# Altium PCB SeaBOX-PoE-HDMI-Stick.PcbDoc (part 1 of 2) (continued)
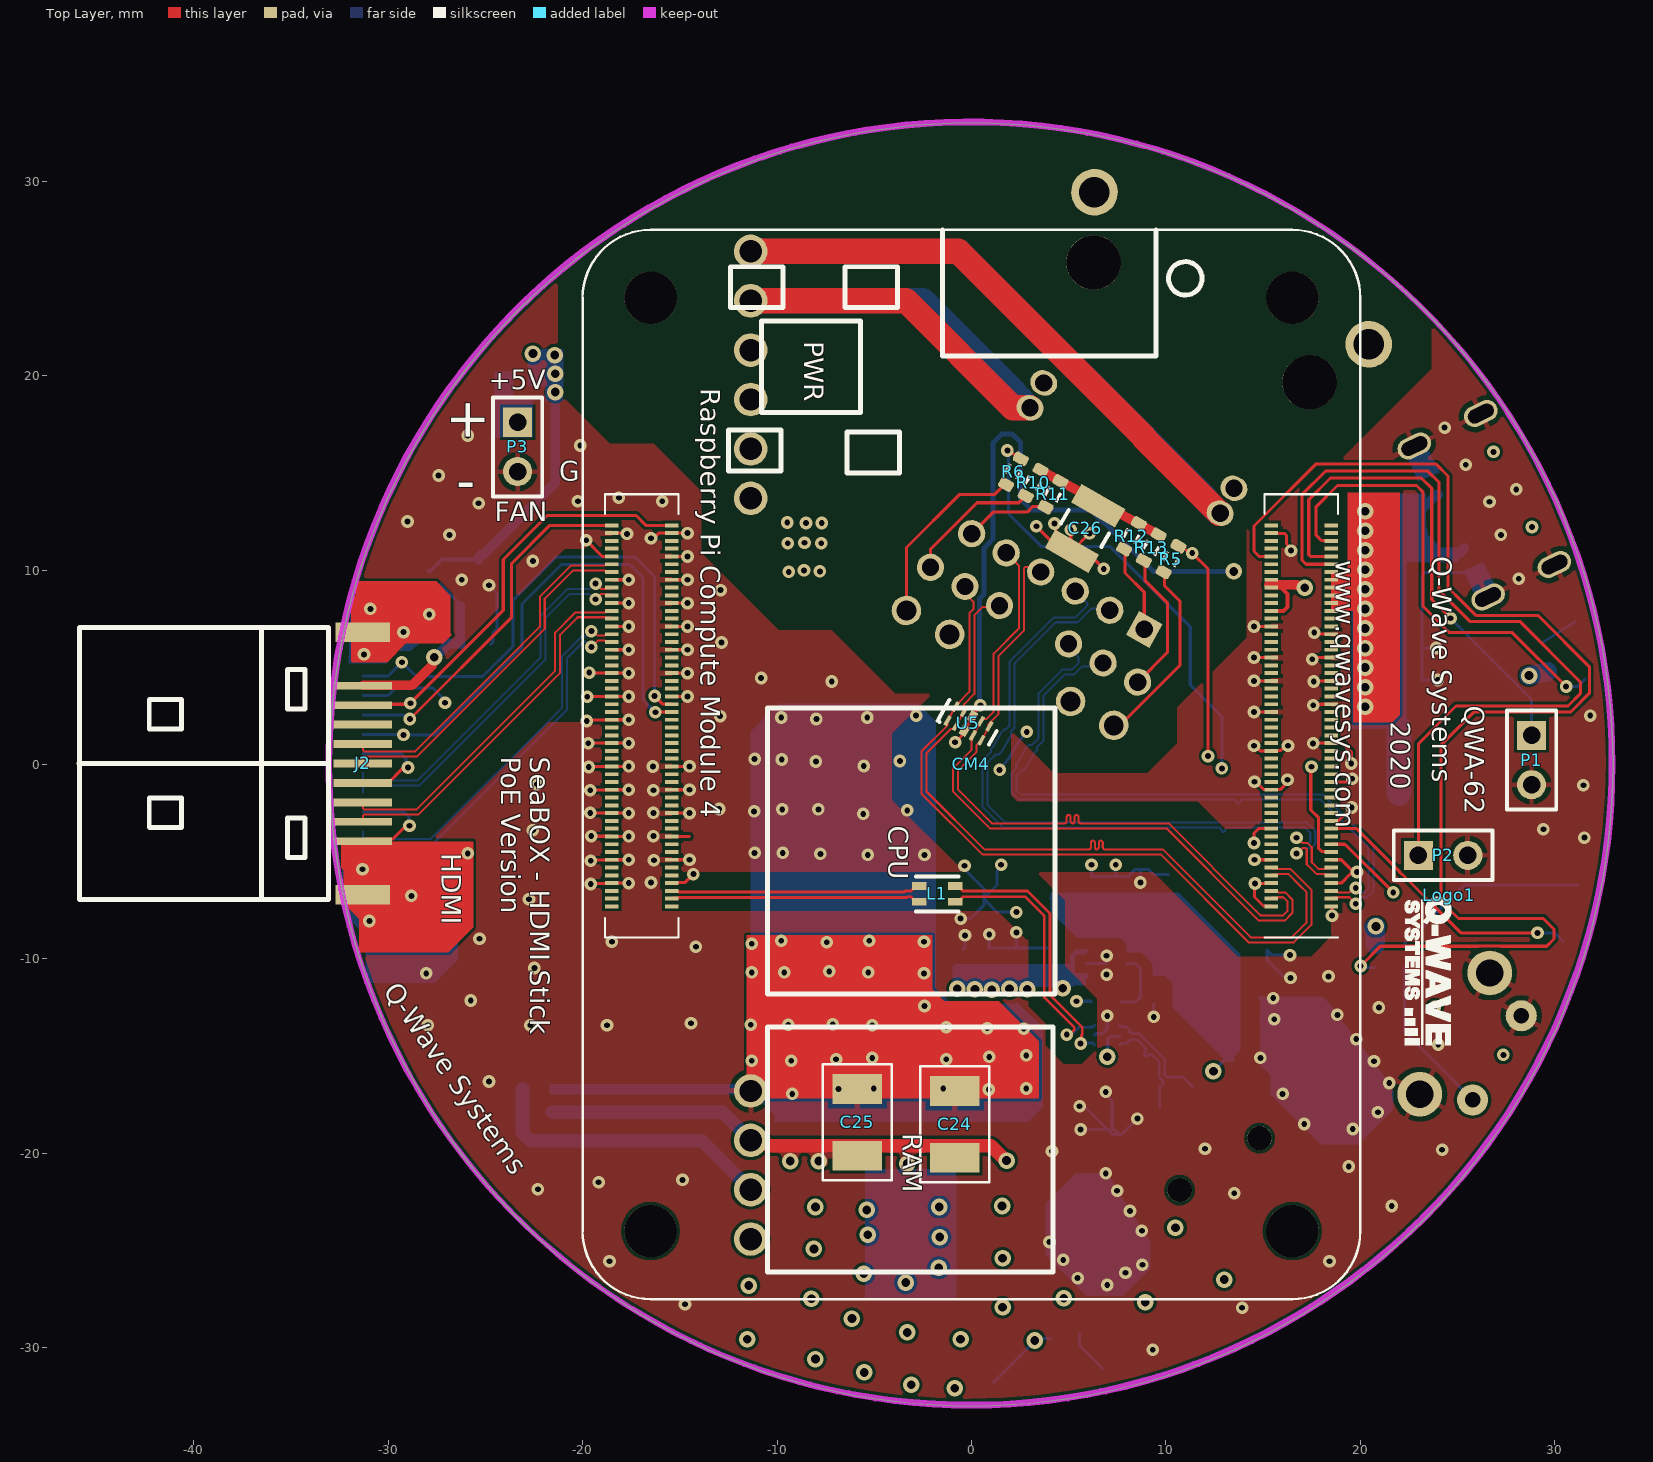
[diagram p0: Top Layer view]
## Classes and differential pairs
component class Ethernet: C26 R5 R6 R10 R11 R12 R13 T1 U4 U5
component class HDMI2.0: C11 C12 H1 J2 U1
component class "Top_Level_Block Diagram": Logo1
component class Power: C4 C5 C6 C7 C8 C9 C10 C23 C24 C25 F1 J1 P3 R3 R4 U3
component class LEDs: D3 D4 R7 R8
component class "BT WiFi Power Reset Control": P1 P2 R2 SW1
differential pair class DIFF_USB2.0: C_USB2 D USB2
differential pair class DIFF_90Ohm_USB2.0: C_USB2 D USB2
net class Power: 5V 5V_USB FAN_5V GPIO_VRef_3V3 H5V NetC26_2 NetR3_2 Shield VC1 VC2 VC3 VC4
differential pair class DIFF_PCIe: PCIE_CLK PCIE_RX PCIE_TX
differential pair class DIFF_MIPI: CAM0_C CAM0_D0 CAM0_D1 CAM1_C CAM1_D0 CAM1_D1 CAM1_D2 CAM1_D3 DSI0_C DSI0_D0 DSI0_D1 DSI1_C DSI1_D0 DSI1_D1 DSI1_D2 DSI1_D3
differential pair class DIFF_LAN_GB: TRD0 TRD1 TRD2 TRD3
differential pair class DIFF_HDMI: HDMI0_CLK HDMI0_TX0 HDMI0_TX1 HDMI0_TX2
differential pair class DIFF_100Ohm_MIPI: CAM0_C CAM0_D0 CAM0_D1 CAM1_C CAM1_D0 CAM1_D1 CAM1_D2 CAM1_D3 DSI0_C DSI0_D0 DSI0_D1 DSI1_C DSI1_D0 DSI1_D1 DSI1_D2 DSI1_D3
differential pair class DIFF_100Ohm_HDMI: HDMI0_CLK HDMI0_TX0 HDMI0_TX1 HDMI0_TX2
differential pair class DIFF_100Ohm_GBE: TRD0 TRD1 TRD2 TRD3
differential pair class DIFF_90Ohm_PCIe: PCIE_CLK PCIE_RX PCIE_TX
net class USB2.0_480Mbps: C_USB2_N C_USB2_P D_N D_P USB2_N USB2_P
net class PCIe_5Gbps: PCIE_CLK_N PCIE_CLK_P PCIE_RX_N PCIE_RX_P PCIE_TX_N PCIE_TX_P
net class MIPI_1Gbps: CAM0_C_N CAM0_C_P CAM0_D0_N CAM0_D0_P CAM0_D1_N CAM0_D1_P CAM1_C_N CAM1_C_P CAM1_D0_N CAM1_D0_P CAM1_D1_N CAM1_D1_P CAM1_D2_N CAM1_D2_P CAM1_D3_N CAM1_D3_P DSI0_C_N DSI0_C_P DSI0_D0_N DSI0_D0_P DSI0_D1_N DSI0_D1_P DSI1_C_N DSI1_C_P DSI1_D0_N DSI1_D0_P DSI1_D1_N DSI1_D1_P DSI1_D2_N DSI1_D2_P DSI1_D3_N DSI1_D3_P
net class HDMI_18Gbps: HDMI0_CLK_N HDMI0_CLK_P HDMI0_TX0_N HDMI0_TX0_P HDMI0_TX1_N HDMI0_TX1_P HDMI0_TX2_N HDMI0_TX2_P
net class GBE_1Gbps: TRD0_N TRD0_P TRD1_N TRD1_P TRD2_N TRD2_P TRD3_N TRD3_P
component class USB: 1 C1 C2 C3 C13 C14 C15 C16 C17 C18 C19 C20 C21 C22 D1 D2 L1 R1 R9 U2 USB1
component class GPIO: CM4
differential pair D: +D_P -D_N
differential pair USB2: +USB2_P -USB2_N
differential pair C_USB2: +C_USB2_P -C_USB2_N
differential pair TRD3: +TRD3_P -TRD3_N
differential pair TRD2: +TRD2_P -TRD2_N
differential pair TRD1: +TRD1_P -TRD1_N
differential pair TRD0: +TRD0_P -TRD0_N
differential pair PCIE_TX: +PCIE_TX_P -PCIE_TX_N
differential pair PCIE_RX: +PCIE_RX_P -PCIE_RX_N
differential pair PCIE_CLK: +PCIE_CLK_P -PCIE_CLK_N
differential pair HDMI0_TX2: +HDMI0_TX2_P -HDMI0_TX2_N
differential pair HDMI0_TX1: +HDMI0_TX1_P -HDMI0_TX1_N
differential pair HDMI0_TX0: +HDMI0_TX0_P -HDMI0_TX0_N
differential pair HDMI0_CLK: +HDMI0_CLK_P -HDMI0_CLK_N
differential pair DSI1_D3: +DSI1_D3_P -DSI1_D3_N
differential pair DSI1_D2: +DSI1_D2_P -DSI1_D2_N
differential pair DSI1_D1: +DSI1_D1_P -DSI1_D1_N
differential pair DSI1_D0: +DSI1_D0_P -DSI1_D0_N
differential pair DSI1_C: +DSI1_C_P -DSI1_C_N
differential pair DSI0_D1: +DSI0_D1_P -DSI0_D1_N
differential pair DSI0_D0: +DSI0_D0_P -DSI0_D0_N
differential pair DSI0_C: +DSI0_C_P -DSI0_C_N
differential pair CAM1_D3: +CAM1_D3_P -CAM1_D3_N
differential pair CAM1_D2: +CAM1_D2_P -CAM1_D2_N
differential pair CAM1_D1: +CAM1_D1_P -CAM1_D1_N
differential pair CAM1_D0: +CAM1_D0_P -CAM1_D0_N
differential pair CAM1_C: +CAM1_C_P -CAM1_C_N
differential pair CAM0_D1: +CAM0_D1_P -CAM0_D1_N
differential pair CAM0_D0: +CAM0_D0_P -CAM0_D0_N
differential pair CAM0_C: +CAM0_C_P -CAM0_C_N

## Components (designator, comment, footprint, x,y, rotation, side; value= is the part's Value field where it differs from the comment)
1 "5V_USB" TEST_POINT 1.168,-31.775 r90 bottom locked
C1 "4.7uF" CAP_0805 8.763,-6.325 r90 bottom locked
C2 "0.1µF" CAP_0603 14.046,-11.963 r0 bottom locked
C3 "0.01µF" CAP_0603 14.072,-13.106 r180 bottom locked
C4 "47uF 16V (1210)" "C 1210" 23.952,-1.473 r0 bottom locked
C5 "0.1µF" CAP_0603 22.403,8.534 r0 bottom locked
C6 "47uF 16V (1210)" "C 1210" 23.952,1.88 r0 bottom locked
C7 "4.7uF" CAP_0805 22.25,4.369 r0 bottom locked
C8 "0.1µF" CAP_0603 22.403,7.341 r0 bottom locked
C9 "4.7uF" CAP_0805 22.25,5.944 r0 bottom locked
C10 "0.1µF" CAP_0603 22.403,9.703 r0 bottom locked
C11 "0.1uF" CAP_0603 -27.915,9.195 r90 bottom locked
C12 "0.1uF" CAP_0603 -25.502,6.172 r180 bottom locked
C13 "4.7uF 16V" CAP_0805 4.089,-10.287 r90 bottom locked
C14 "4.7uF 16V" CAP_0805 2.388,-10.287 r90 bottom locked
C15 "1µF" CAP_0603 0.864,-10.236 r270 bottom locked
C16 "0.1uF" CAP_0603 -0.305,-10.236 r270 bottom locked
C17 "1µF" CAP_0603 9.398,-11.557 r90 bottom locked
C18 "1µF" CAP_0603 10.135,-6.426 r270 bottom locked
C19 "0.1µF" CAP_0603 6.189,-6.538 r270 bottom locked
C20 "0.1µF" CAP_0603 7.391,-6.528 r270 bottom locked
C21 "47uF 16V" 1210C-GENERIC 15.215,-9.55 r180 bottom locked value=47uF
C22 "47uF 16V" 1210C-GENERIC 0.635,-6.883 r0 bottom locked value=47uF
C23 "470uF, 16V" WCAP-PSHP_10x10.5mm -3.404,-19.583 r270 bottom locked
C24 "10uF 16V" 1210C-GENERIC -0.864,-16.789 r270 top locked value=47uF
C25 "10uF 16V" 1210C-GENERIC -5.867,-16.688 r270 top locked value=47uF
C26 "1nF 2KV 1210" C1210 5.842,12.141 r60 top locked
CM4 "Raspberry Pi Compute Module 4" CM4-DF40HC(3.0)-100DS-0.4v_3mm_1.5mm 0,0 r0 top locked
D1 "USBLC6-2" SOT-666 6.985,-13.919 r90 bottom locked
D2 "Red SMD LED    Used in manufacturing of most products at SparkFun   Packages: 0603 - SMD 0603 package [Product Link]  0603 SMART - SMD 0603 SMART package ( more efficient and expensive)[Product Link]   1206 - SMD1206  package [Product Link]    SparkFun Products: Pro Mini 328 -5V  RedBoard  IOIO-OTG" LED-1206-LED_AL-S1204SRC50-14M 5.258,-31.318 r190 bottom locked
D3 "Red SMD LED    Used in manufacturing of most products at SparkFun   Packages: 0603 - SMD 0603 package [Product Link]  0603 SMART - SMD 0603 SMART package ( more efficient and expensive)[Product Link]   1206 - SMD1206  package [Product Link]    SparkFun Products: Pro Mini 328 -5V  RedBoard  IOIO-OTG" LED-1206-LED_AL-S1204SRC50-14M 30.81,-7.645 r255 bottom locked
D4 "Red SMD LED    Used in manufacturing of most products at SparkFun   Packages: 0603 - SMD 0603 package [Product Link]  0603 SMART - SMD 0603 SMART package ( more efficient and expensive)[Product Link]   1206 - SMD1206  package [Product Link]    SparkFun Products: Pro Mini 328 -5V  RedBoard  IOIO-OTG" LED-1206-LED_AL-S1204SRC50-14M 31.293,5.867 r280 bottom locked
F1 "Fuse 2" 1206 -22.885,20.218 r0 bottom locked
H1 "H5V" TEST_POINT -29.489,9.246 r180 bottom locked
J1 "TYPE-C 6 Pin" TYPE-C-31-M-17 26.3,13.5 r296 bottom locked
J2 "HDMIconnector 19" HDMI-SMD_19P_C168715 -31.3,0.051 r270 top locked
L1 "ACM2012-900-2P-T002" ACM2012 -1.753,-6.655 r0 top locked
Logo1 "QWAVE Logo" Qwave_Logo1 24.562,-6.731 r270 top locked
P1 "Header 2" HDR1X2 28.804,1.499 r270 top locked
P2 "Header 2" HDR1X2 22.987,-4.674 r0 top locked
P3 "Header 2" HDR1X2 -23.343,17.602 r270 top locked
R1 "20K" RES_0603 6.934,-12.217 r0 bottom locked
R2 "220R" RES_0603 21.514,-10.439 r0 bottom locked
R3 "0R NF" RES_0603 -22.327,-17.882 r180 bottom locked
R4 "0R NF" RES_0603 -22.327,-16.688 r0 bottom locked
R5 "470R" RES_0603 10.262,10.566 r240 top locked
R6 "470R" RES_0603 2.159,15.062 r240 top locked
R7 "470R" RES_0603 21.539,-9.246 r180 bottom locked
R8 "470R" RES_0603 29.489,5.512 r280 bottom locked
R9 "470R" RES_0603 4.801,-29.388 r190 bottom locked
R10 "75R" RES_0603 3.175,14.478 r240 top locked
R11 "75R" RES_0603 4.191,13.894 r240 top locked
R12 "75R" RES_0603 8.23,11.735 r240 top locked
R13 "75R" RES_0603 9.246,11.151 r240 top locked
SW1 "MJTP1117" "TSW DIP-3*6*4.3_V" 27.026,-15.088 r240 bottom locked
T1 "7499511440" 7499511440 9.119,17.831 r331 bottom locked
U1 "IC_Diodes_AP2331W-7_eec" Diodes_AP2331W-7_0 -25.349,9.347 r180 bottom locked
U2 "DiodesZetex AP2553AFDC-7" SON65P201X201X63-7N 6.934,-10.236 r180 bottom locked
U3 "Ag9705-2BR" AG97052BR -11.354,26.391 r270 bottom locked
U4 "TPD4EUSB30DQAR" DQA0010A_V#1 2.179,0.756 r240 bottom locked
U5 "TPD4EUSB30DQAR" DQA0010A_V#2 -0.152,2.108 r60 top locked
USB1 "USBA SMD" USB-A/S_B 12.763,-20.554 r213 bottom locked

## Footprints (in the part's own frame and the unit in brackets; to place one, negate y for a bottom-side part, rotate by r counter-clockwise, add the part's x,y. Pads: shape width x height; smd on the part's side, far side on the other; paste and mask are expansions set on the pad)
1206 [mm]
  rect 1.6x1.8 smd: 1(-1.4,0) 2(1.4,0)
1210C-GENERIC [mil]
  rect 60x100 smd: 1(0,0) 2(135,0)
  silkscreen extent -50,-70 185,70, body extent -10,-50 145,50, height 46
7499511440 [mm] "LAN Transformer, body 33.02x17mm"
  rect 1.4x1.4 hole 0.89: 1(5.075,9.63)
  round 1.4 hole 0.89: 2(3.045,9.63) 3(1.015,9.63) 4(-1.015,9.63) 5(-3.045,9.63) 6(-5.075,9.63) 7(6.09,12.17) 8(4.06,12.17) 9(2.03,12.17) 10(-2.03,12.17) 11(-4.06,12.17) 12(-6.09,12.17)
  oval 1.4x1.25 hole 0.89: 13(5.59,2.51) 14(-5.59,2.51) 15(5.59,1.05) 16(-5.59,1.05)
  round 1.52 hole 1.02: 17(6.095,14.71) 18(3.555,14.71) 19(-3.555,14.71) 20(-6.095,14.71)
  round 2.8 hole 2.8 unplated: MH1(-6.35,-5.61) MH2(6.35,-5.61)
  round 2.4 hole 1.57: S1(-8.065,-8.79) S2(8.065,-8.79)
  silkscreen extent -10.72,-16.51 10.72,16.51, body extent -10.8,-16.51 10.8,16.51, height 16.21
ACM2012 [mm]
  rect 0.75x0.4 smd mask+0.076: 1(-0.925,0.4) 2(-0.925,-0.4) 3(0.925,-0.4) 4(0.925,0.4)
  silkscreen extent -1.1,-0.9 1.1,0.9, body extent -1.2,-0.7 1.2,0.7, height 1.3
AG97052BR [mm]
  round 1.725 hole 1.15: 1(0,0) 2(2.54,0) 3(5.08,0) 4(7.62,0) 5(10.16,0) 6(12.7,0) 7(43.18,0) 8(45.72,0) 9(48.26,0) 10(50.8,0)
  silkscreen extent -3.1,-10.41 54.36,8.76, body extent -1.78,-10.26 54.22,8.74, height 14
C1210 [mm] "Chip Capacitor, Body 3.2x2.5mm, IPC High Density"
  rect 1.1x2.6 smd: 1(-1.35,0) 2(1.35,0)
  silkscreen extent -0.4,-1.2 0.4,1.2, body extent -1.7,-1.35 1.7,1.35, height 1.3
"C 1210" [mil] "ฮผซะิฬ๙ฦฌต็ศ"
  rect 70x100 smd: 1(-77.5,0) 2(77.5,0)
  silkscreen extent -124,-62 122,62, body extent -63,-51 63,51, height 60
CAP_0603 [mil]
  rrect50% 22x30 smd: 1(-30,0) 2(30,0)
  silkscreen extent -10,-15 10,15, body extent -31,-16 31,16, height 31
CAP_0805 [mil]
  rrect50% 24x50 smd: 1(-36,0) 2(36,0)
  silkscreen extent -12,-24 12,24, body extent -39,-25 39,25, height 39
CM4-DF40HC(3.0)-100DS-0.4v_3mm_1.5mm [mm] "DF40HC(3.0)-100DS-0.4v by Amornthep Phunsin"
  round 2.7 hole 2.7: 0(-16.5,-24) 0(-16.5,24) 0(16.5,-24) 0(16.5,24)
  rect 0.7x0.2 smd: 1(18.5,-7.3) 2(15.42,-7.3) 3(18.5,-6.9) 4(15.42,-6.9) 5(18.5,-6.5) 6(15.42,-6.5) 7(18.5,-6.1) 8(15.42,-6.1) 9(18.5,-5.7) 10(15.42,-5.7) 11(18.5,-5.3) 12(15.42,-5.3) 13(18.5,-4.9) 14(15.42,-4.9) 15(18.5,-4.5) 16(15.42,-4.5) 17(18.5,-4.1) 18(15.42,-4.1) 19(18.5,-3.7) 20(15.42,-3.7) 21(18.5,-3.3) 22(15.42,-3.3) 23(18.5,-2.9) 24(15.42,-2.9) 25(18.5,-2.5) 26(15.42,-2.5) 27(18.5,-2.1) 28(15.42,-2.1) 29(18.5,-1.7) 30(15.42,-1.7) 31(18.5,-1.3) 32(15.42,-1.3) 33(18.5,-0.9) 34(15.42,-0.9) 35(18.5,-0.5) 36(15.42,-0.5) 37(18.5,-0.1) 38(15.42,-0.1) 39(18.5,0.3) 40(15.42,0.3) 41(18.5,0.7) 42(15.42,0.7) 43(18.5,1.1) 44(15.42,1.1) 45(18.5,1.5) 46(15.42,1.5) 47(18.5,1.9) 48(15.42,1.9) 49(18.5,2.3) 50(15.42,2.3) 51(18.5,2.7) 52(15.42,2.7) 53(18.5,3.1) 54(15.42,3.1) 55(18.5,3.5) 56(15.42,3.5) 57(18.5,3.9) 58(15.42,3.9) 59(18.5,4.3) 60(15.42,4.3) 61(18.5,4.7) 62(15.42,4.7) 63(18.5,5.1) 64(15.42,5.1) 65(18.5,5.5) 66(15.42,5.5) 67(18.5,5.9) 68(15.42,5.9) 69(18.5,6.3) 70(15.42,6.3) 71(18.5,6.7) 72(15.42,6.7) 73(18.5,7.1) 74(15.42,7.1) 75(18.5,7.5) 76(15.42,7.5) 77(18.5,7.9) 78(15.42,7.9) 79(18.5,8.3) 80(15.42,8.3) 81(18.5,8.7) 82(15.42,8.7) 83(18.5,9.1) 84(15.42,9.1) 85(18.5,9.5) 86(15.42,9.5) 87(18.5,9.9) 88(15.42,9.9) 89(18.5,10.3) 90(15.42,10.3) 91(18.5,10.7) 92(15.42,10.7) 93(18.5,11.1) 94(15.42,11.1) 95(18.5,11.5) 96(15.42,11.5) 97(18.5,11.9) 98(15.42,11.9) 99(18.5,12.3) 100(15.42,12.3) 101(-15.42,-7.3) 102(-18.5,-7.3) 103(-15.42,-6.9) 104(-18.5,-6.9) 105(-15.42,-6.5) 106(-18.5,-6.5) 107(-15.42,-6.1) 108(-18.5,-6.1) 109(-15.42,-5.7) 110(-18.5,-5.7) 111(-15.42,-5.3) 112(-18.5,-5.3) 113(-15.42,-4.9) 114(-18.5,-4.9) 115(-15.42,-4.5) 116(-18.5,-4.5) 117(-15.42,-4.1) 118(-18.5,-4.1) 119(-15.42,-3.7) 120(-18.5,-3.7) 121(-15.42,-3.3) 122(-18.5,-3.3) 123(-15.42,-2.9) 124(-18.5,-2.9) 125(-15.42,-2.5) 126(-18.5,-2.5) 127(-15.42,-2.1) 128(-18.5,-2.1) 129(-15.42,-1.7) 130(-18.5,-1.7) 131(-15.42,-1.3) 132(-18.5,-1.3) 133(-15.42,-0.9) 134(-18.5,-0.9) 135(-15.42,-0.5) 136(-18.5,-0.5) 137(-15.42,-0.1) 138(-18.5,-0.1) 139(-15.42,0.3) 140(-18.5,0.3) 141(-15.42,0.7) 142(-18.5,0.7) 143(-15.42,1.1) 144(-18.5,1.1) 145(-15.42,1.5) 146(-18.5,1.5) 147(-15.42,1.9) 148(-18.5,1.9) 149(-15.42,2.3) 150(-18.5,2.3) 151(-15.42,2.7) 152(-18.5,2.7) 153(-15.42,3.1) 154(-18.5,3.1) 155(-15.42,3.5) 156(-18.5,3.5) 157(-15.42,3.9) 158(-18.5,3.9) 159(-15.42,4.3) 160(-18.5,4.3) 161(-15.42,4.7) 162(-18.5,4.7) 163(-15.42,5.1) 164(-18.5,5.1) 165(-15.42,5.5) 166(-18.5,5.5) 167(-15.42,5.9) 168(-18.5,5.9) 169(-15.42,6.3) 170(-18.5,6.3) 171(-15.42,6.7) 172(-18.5,6.7) 173(-15.42,7.1) 174(-18.5,7.1) 175(-15.42,7.5) 176(-18.5,7.5) 177(-15.42,7.9) 178(-18.5,7.9) 179(-15.42,8.3) 180(-18.5,8.3) 181(-15.42,8.7) 182(-18.5,8.7) 183(-15.42,9.1) 184(-18.5,9.1) 185(-15.42,9.5) 186(-18.5,9.5) 187(-15.42,9.9) 188(-18.5,9.9) 189(-15.42,10.3) 190(-18.5,10.3) 191(-15.42,10.7) 192(-18.5,10.7) 193(-15.42,11.1) 194(-18.5,11.1) 195(-15.42,11.5) 196(-18.5,11.5) 197(-15.42,11.9) 198(-18.5,11.9) 199(-15.42,12.3) 200(-18.5,12.3)
  silkscreen extent -20,-27.5 20,27.5, body extent -20,-27.5 20,27.5, height 6.65
Diodes_AP2331W-7_0 [mm]
  rect 0.8x1 smd paste+0 mask+0: 1(-0.95,-1.2) 2(0.95,-1.2) 3(0,1.2)
  silkscreen extent -1.5,-2.37 1.5,0.8, body extent -1.5,-1.37 1.5,1.43, height 1.15
DQA0010A_V#1 [mm] "SON, 10-Leads, Body 1x2.5mm, Pitch 0.5mm, TI Recommended"
  rrect50% 0.565x0.2 smd: 1(-0.418,1) 2(-0.417,0.5) 4(-0.418,-0.5) 5(-0.418,-1) 6(0.418,-1) 7(0.417,-0.5) 9(0.417,0.5) 10(0.418,1)
  rrect28% 0.565x0.36 on Bottom Paste: 3(-0.417,0) 8(0.417,0)
  rrect25% 0.565x0.4 smd paste-0.2: 3(-0.417,0) 8(0.418,0)
  silkscreen extent -0.68,-1.45 0.55,1.45, body extent -0.55,-1.3 0.55,1.3, height 0.56
DQA0010A_V#2 [mm] "SON, 10-Leads, Body 1x2.5mm, Pitch 0.5mm, TI Recommended"
  rrect50% 0.565x0.2 smd: 1(-0.417,1) 2(-0.417,0.5) 4(-0.418,-0.5) 5(-0.418,-1) 6(0.418,-1) 7(0.418,-0.5) 9(0.417,0.5) 10(0.417,1)
  rrect28% 0.565x0.36 on Top Paste: 3(-0.418,0) 8(0.418,0)
  rrect25% 0.565x0.4 smd paste-0.2: 3(-0.417,0) 8(0.417,0)
  silkscreen extent -0.68,-1.45 0.55,1.45, body extent -0.55,-1.3 0.55,1.3, height 0.56
HDMI-SMD_19P_C168715 [mm] "C168715 HDMIconnector 19 Vertical Plywood"
  rect 1x2.8 smd: 0(-6.75,0) 0(6.75,0)
  rect 1x2.8 smd far side: 0(-6.75,0) 0(6.75,0)
  rect 0.4x3 smd far side: 1(4.5,0) 3(3.5,0) 5(2.5,0) 7(1.5,0) 9(0.5,0) 11(-0.5,0) 13(-1.5,0) 15(-2.5,0) 17(-3.5,0) 19(-4.5,0)
  rect 0.4x3 smd: 2(4,0) 4(3,0) 6(2,0) 8(1,0) 10(0,0) 12(-1,0) 14(-2,0) 16(-3,0) 18(-4,0)
  silkscreen extent -7,-14.6 7,-1.78, body extent -6.95,-14.46 6.95,0.75, height 2.22
HDR1X2 [mm] "Connector; Header; 2 Position"
  rect 1.5x1.5 hole 0.9: 1(0,0)
  round 1.5 hole 0.9: 2(2.54,0)
  silkscreen extent -1.27,-1.27 3.81,1.27
LED-1206-LED_AL-S1204SRC50-14M [mm] "LED_AL-S1204SRC50-14M"
  rect 1.2x1.4 smd: A(-1.5,0) C(1.5,0)
  body extent -1.6,-1.51 1.6,0, height 1.01
Qwave_Logo1 [mm]
  silkscreen extent 0.08,-2.26 7.7,0.1
RES_0603 [mil]
  rrect50% 22x30 smd: 1(-30,0) 2(30,0)
  silkscreen extent -10,-16 10,16, body extent -31,-16 31,16, height 18
SON65P201X201X63-7N [mm]
  rect 0.65x0.35 smd: 1(-1.05,0.65) 2(-1.05,0) 3(-1.05,-0.65) 4(1.05,-0.65) 5(1.05,0) 6(1.05,0.65)
  rect 1.06x1.75 smd: 7(0,0)
  silkscreen extent -1.5,1.2 -1.25,1.45, body extent -1.06,-1.01 1.06,1.01, height 0.63
SOT-666 [mm]
  rect 0.3x0.6 smd: 1(-0.5,-0.65) 2(0,-0.65) 3(0.5,-0.65) 4(0.5,0.65) 5(0,0.65) 6(-0.5,0.65)
  silkscreen extent -1.1,-0.8 -0.9,-0.6, body extent -0.8,-0.8 0.8,0.8, height 0.6
TEST_POINT [mm]
  round 1 smd: 1(0,0)
"TSW DIP-3*6*4.3_V" [mm] "๏ฟฝเฐด๏ฟฝแดฅ๏ฟฝ๏ฟฝ๏ฟฝ๏ฟฝ 3*6*4.3mm"
  round 1.6 hole 0.8: 1(-2.5,0) 2(2.5,0)
  round 2.3 hole 1.4: PE1(-3.6,2.5) PE2(3.6,2.5)
  silkscreen extent -3.81,-3.18 3.81,2.54, body extent -4,-3.05 4,3.5, height 4.45
TYPE-C-31-M-17 [mm] "Korean Hroparts Elec"
  rect 0.7x1.5 smd: A5(-0.313,1.9) B5(0.687,1.9)
  rect 0.8x1.5 smd: A9(1.707,1.9) B9(-1.333,1.9)
  rect 0.9x1.5 smd: A12(2.937,1.9) B12(-2.563,1.9)
  rect 0.2x0.2 smd paste-1 mask+0: S1(-4.508,1.9) S2(4.132,1.9) S3(-4.508,-1.9) S4(4.132,-1.9)
  oval 1.1x1.799 hole 0.7 slot 1.401 at 90 deg: S1(-4.133,1.9) S2(-4.133,-1.9) S3(4.508,1.9) S4(4.508,-1.9)
  silkscreen extent -4.28,-4.5 4.66,0.73, body extent -4.28,-4.49 4.66,2.41, height 3.2
USB-A/S_B [mm] "USB A SMD"
  round 1.25 hole 1.25 unplated: 7(-2.45,0) 8(2.45,0)
  rect 1.2x2.5 smd: D+(1,4.1) D-(-1,4.1) G(3.5,4.1) V(-3.5,4.1)
  rect 3x5.15 smd: SH1(-7.2,1.2) SH2(7.2,1.2)
  silkscreen extent -6.6,-10.16 6.61,6.19, body extent -7.75,-9.9 7.75,4.8, height 6.9
WCAP-PSHP_10x10.5mm [mm] "Aluminium Polymer V-Chip SMT Capacitors, D10mm x L10.5mm"
  rect 4.4x1.9 smd: 1(-4.35,0) 2(4.35,0)
  silkscreen extent -5.25,-5.25 5.25,5.25, body extent -5.5,-5.15 5.5,5.15, height 10.5

## Part data
1 H1: library part TEST_POINT, "Test Point"
C1 C7 C9 C13 C14: library part Cap, "4.7µF ±10% 16V Ceramic Capacitor X5R 0805", MFG=KEMET, MFG P/N=C0603C475K8PACTU
C2 C5 C8 C10 C11 C12 C16: library part "Cap Semi", "0.1µF ±5% 50V Ceramic Capacitor X7R 0603", MFG=KEMET, MFG P/N=C0603C104J5RACTU
C3: library part "Cap Semi", "0.01µF ±5% 50V Ceramic Capacitor X7R 0603", MFG=KEMET, MFG P/N=C0603C104J5RACTU
C4 C6: library part Cap, "47uF 16V Ceramic Capacitor X5R 1210", MFG=KEMET, MFG P/N=C0603C475K8PACTU
C15 C17 C18: library part "Cap Semi", "1µF ±5% 50V Ceramic Capacitor X7R 0603", MFG=KEMET, MFG P/N=C0603C104J5RACTU
C19 C20: library part "Cap Semi", "0.11µF ±5% 50V Ceramic Capacitor X7R 0603", MFG=KEMET, MFG P/N=C0603C104J5RACTU
C21 C22 C24 C25: library part Cap, "Capacitor 1210", Part Number=0805F476M100NT, LatestRevisionDate=17-Jul-2002, LatestRevisionNote="Re-released for DXP Platform.", PackageDescription="Radial Cap, Thru-Hole; 2 Leads; 0.3 in Pin Spacing", PackageReference=RAD-0.3, Published=8-Jun-2000, Publisher="Altium Limited", Supplier=LCSC
C23: library part 875115357006, "WCAP-PSHP Aluminum Polymer Capacitors, size 10x10.5mm, 470uF, +/-20%, 16VDC", Capacitance=470uF, Capacitance Tolerance=+/-20%, Leakage Current=752uA, Operating Temperature="-55 to +105degC", Rated Voltage=16VDC, Ripple Current=5.1A, ComponentLink1Description=Manufacturer, ComponentLink1URL=http://www.we-online.de, ComponentLink2Description=Datasheet, ComponentLink2URL=https://katalog.we-online.com/pbs/datasheet/875115357006.pdf, Diameter=10mm, Dissipation Factor=10%, ESR=11mOhm, Height=10.5mm, Mounting Technology=SMD, Packaging="Tape and Reel", Part Number=875115357006, Published Date="August 2019", Publisher="Wurth Elektronik", Size=10x10.5mm, Technical Reference=PSEF105471M016DVCTEB000
C26: library part "Cap Semi", MFG=KEMET
CM4: library part CM4
D1: "TVS DIODE 5.25V 17V SOT23-6"
D2 D3 D4: library part LED-RED1206, "LED Red SMD ES P/N 0983-0003-2", DeviceName=1206, DeviceSetName=LED-RED, GateName_1=G$1, LibraryName=SparkFun-LED, PROD_ID=DIO-09912, SymbolName_1=LED
F1: "Fuse", LatestRevisionDate=17-Jul-2002, LatestRevisionNote="Re-released for DXP Platform.", PackageDescription="Thru-Hole; 2 Leads", PackageReference=PIN-W2/E2.8, Published=8-Jun-2000, Publisher="Altium Limited"
J1: library part TYPE-C-31-M-17, "Manufacturer Korean Hroparts Elec / Mfr.Part # TYPE-C-31-M-17 / LCSC Part # C283540", Package=None, Availability=Unavailable, MF="{'manufacturer': u'CUI Devices'}", MP=UJC-HP-3-SMT-TR, Price=None
J2: library part C168715, "Jing Extension of the Electronic Co. C168715", Manufacturer_Name=Yamaichi, Height=3.27mm, Mouser Price/Stock=https://www.mouser.co.uk/ProductDetail/Yamaichi-Electronics/PKS019-4011-0?qs=6DDkx98%252BHnB4M72oyP%252BmZw%3D%3D, Supplier 1=Mouser
L1: "CHOKE COMM MODE 90 OHM .4A SMD", Current=400mA, DC Resistance (DCR)="190 mOhm Max", Inductance=-, Manufacturer="TDK Corporation", Operating Temperature="-25ฐC ~ 85ฐC", Package / Case="0805 (2012 Metric), 4 Lead", Power (Watts)="0.063W, 1/16W", Resistance (Ohms)=8.2K, Supplier Part Number 1=445-2207-1-ND, Temperature Coefficient=ฑ100ppm/ฐC, Tolerance=ฑ1%, .Checked PCB=RF, .Checked SCH=RF, Category=Filters, ComponentLink1Description=http://www.tdk.co.jp/tefe02/e9719_acm2012.pdf, ComponentLink1URL=http://www.tdk.co.jp/tefe02/e9719_acm2012.pdf, ComponentLink2Description=http://www.yageo.com/documents/recent/PYu-RC0402_51_RoHS_L_6.pdf, ComponentLink2URL=http://www.yageo.com/documents/recent/PYu-RC0402_51_RoHS_L_6.pdf, Composition="Thick Film", Features=-, Filter Type="Data, Signal Line", Height="0.016\" (0.40mm)", Height (Max)="0.051\" (1.30mm)", Impedance="90 Ohm", Manufacturer Part Number=ACM2012-900-2P-T002, Mounting Type="Surface Mount", Number of Lines=2, Number of Terminations=2, Packaging="Cut Tape (CT)", Pricing 1="1=0.48, 10=0.448, 50=0.42, 100=0.364, 500=0.308, 1000=0.252 (USD)", RoHS="RoHS Compliant", Size / Dimension="0.079\" L x 0.047\" W (2.00mm x 1.20mm)", Stock 1=175768, Supplier 1=Digi-Key
Logo1: library part Breadboard
P1 P2 P3: "Header, 2-Pin", LatestRevisionDate=17-Jul-2002, LatestRevisionNote="Re-released for DXP Platform.", Publisher="Altium Limited"
R1 R3 R4 R5 R6 R10 R11 R12 R13: library part "Res Semi", "Resistor 0603"
R2 R7 R8 R9: library part "Res Semi", "470R Resistor 0603"
SW1: library part SW-PB, "TACT SWITCH Size 6mmx4.3 MJTP1117", Supplier Part Number 1=642-MJTP1117, Supplier 1=Mouser
T1: "WE-RJ45 LAN Transformer, THT, 10/100/1000 Base-T, Port 1x1, Tab Up", Manufacturer="Wurth Elektronik", Operating Temperature="-40 to +85degC", Supplier Part Number 1=732-4965-ND, ComponentLink1Description=Manufacturer, ComponentLink1URL=http://www.we-online.de, ComponentLink2Description=Datasheet, ComponentLink2URL=https://www.we-online.com/catalog/datasheet/7499511440.pdf, Data Rate="10/100/1000 Base-T", HPLE=No, LED=green/yellow-green/yellow, Manufacturer Part Number=7499511440, Mounting Technology=THT, Packaging=Tray, PoE="PoE+ (up to 600 mA)", Port Number=1x1, Published Date="April 2020", Shield Tabs=Yes, Supplier 1=Digi-Key, Supplier 2=Mouser, Supplier 3=Mouser, Supplier Part Number 2=530-2250507-1, Supplier Part Number 3=530-0826-1X1T-KL-F, Tab=Up, USB=No
U1: "IC LOAD SWITCH SC59", Digikey Part Number=AP2331W-7DICT-ND, Manufacturer=Diodes, Mouser Part Number=621-AP2331W-7, Package=SC-59, Part Number=AP2331W-7, Temperature="-40°C to +85°C", Temperature Range High=+85°C, Temperature Range Low=-40°C, ComponentLink1Description=Upverter, ComponentLink1URL=https://upverter.com/upn/revision/7e2e43c6fc93a657/, ComponentLink2Description=Datasheet, ComponentLink2URL=http://www.diodes.com/_files/datasheets/AP2331.pdf, Digikey Description="IC LOAD SWITCH SC59", HelpURL=https://upverter.com/upn/revision/7e2e43c6fc93a657/, Lead Free=yes, Price=0.244736178545, RoHS=TRUE, Supplier 1=Digi-Key, Supplier 2=Mouser, Supplier Part Number 1=AP2331W-7DICT-ND, Supplier Part Number 2=621-AP2331W-7
U2: library part AP2553AFDC-7, "Power Distribution 2.1A Precision ADJ 5.5V 2.1A", Manufacturer_Name="Diodes Inc.", DeviceSetName=AP2553AFDC-7, GateName_1=G$1, Height=0.63mm, LibraryName=AP2553AFDC-7, Manufacturer_Part_Number=AP2553AFDC-7, Mouser_Part_Number=621-AP2553AFDC-7, Mouser_Price-Stock=https://www.mouser.com/Search/Refine.aspx?Keyword=621-AP2553AFDC-7, SymbolName_1=AP2553AFDC-7
U3: library part AG9705-2BR, "Ag9705-FL or Ag9705-2BR", Manufacturer_Name=Silvertel, Datasheet Link=https://www.silvertel.com/images/datasheets/Ag9700-Datasheet-low-cost-isolated-Power-over-Ethernet-PoE-module-solution.pdf, Height=14mm, Manufacturer_Part_Number=AG9705-2BR
U4 U5: library part CMP-0326-00027-3, "ESD Solution for Super-Speed (6 GBPS) USB 3.0 Interface, 4 Channels, -40 to +85 degC, 10-pin SON (DQA), Green (RoHS & no Sb/Br)", Breakdown Voltage(Min)(V)=8, Differential Capacitance(pF)=0.05, IO Capacitance(Typ)(pF)=0.8, IO Leakage Current(nA)=10, Manufacturer="Texas Instruments", 1394 / Firewire=TRUE, ComponentLink1Description="Manufacturer URL", ComponentLink1URL=http://www.ti.com/, ComponentLink2Description=Datasheet, ComponentLink2URL=http://www.ti.com/general/docs/lit/getliterature.tsp?genericPartNumber=TPD4EUSB30&fileType=pdf, ComponentLink3Description="URL Link1", ComponentLink3URL=SamplesURL:http://www.ti.com/product/tpd4eusb30#samples, DatasheetVersion=SLVSAC2C, Eco-Plan="Green (RoHS & no Sb/Br)", HDMI=TRUE, IEC 61000-4-2 Air-Gap(+/- kV)=8, IEC 61000-4-2 Contact(+/- kV)=8, Mounting Technology="Surface Mount", PackageDescription="10-Pin Plastic Small Outline No-Lead, 1 x 2.5 x 0.55 mm Body, 0.5 mm Pitch", PackageReference=DQA0010A, PackageVersion="revB, Sep-2009", PartNumber=TPD4EUSB30DQAR, Serial ATA / eSATA=TRUE, SubFamily="ESD Solution", USB Full Speed=TRUE, USB High Speed=TRUE, USB Super Speed=TRUE
USB1: "UMRA04FTWNY-03", ES Link=https://www.es.co.th/detail.asp?Prod=000714637, ES P/N=0007-1463-7, P/N=UMRA04FTWNY-03

## Via types
v1: diameter 0.65, hole 0.3, Top Layer to Bottom, tented both sides, 280 vias
v2: diameter 0.85, hole 0.45, Top Layer to Bottom, tented both sides, 59 vias

## Nets (pads, with @x,y where several pads share a name; then routed paths per layer and width w, separated by ;. In a path a pad name is that pad's centre, name@x,y a point inside that pad or via, vN(x,y) a via of type N, cw(c..) or ccw(c..) an arc to the next point about the centre after c; other vN are vias at no path point)
5V: C4.1 C5.1 C6.1 C7.1 C8.1 C9.1 C10.1 C11.2 C13.1 C14.1 C15.2 C16.2 C23.2 C24.2 C25.2 CM4.77 CM4.79 CM4.81 CM4.83 CM4.85 CM4.87 F1.2 J1.A9 J1.B9 R3.1 U1.3 U2.4 U2.6 U3.8 | length 64.3
  Top Layer w0.2: 19.609,10.359 19.609,10.465
  Top Layer w0.7: U3.8@-11.354,-19.329 -11.158,-19.526 -10.515,-19.526 -10.431,-19.609 1.001,-19.609 1.763,-20.371 v2(1.803,-20.371)
  Bottom w0.2: C11.2@-27.915,9.957 -27.813,9.957 -27.223,10.547 U1.3@-25.349,10.547 ; J1.B9@23.855,13.711 J1.B9@24.008,13.865
  Bottom w0.254: v2(-5.334,-24.181) -3.651,-24.181 C23.2@-3.404,-23.933 ; v2(-0.731,-11.538) -0.711,-11.518 -0.711,-11.1 ; C16.2@-0.305,-10.998 C15.2@0.864,-10.998 3.542,-10.998 3.745,-11.201 C13.1@4.089,-11.201 4.205,-11.086 5.105,-11.086 5.33,-10.861 5.207,-10.738 5.207,-9.83 5.403,-9.634 5.836,-9.634 U2.6@5.884,-9.586
  Bottom w0.3: -22.443,19.99 -22.443,20.19 -21.576,21.057 v2(-21.438,21.057) ; C14.1@2.667,-11.227 C14.1@2.82,-11.38 ; 5.33,-10.861 5.859,-10.861 U2.4@5.884,-10.886
  Bottom w0.5: U1.3@-25.349,10.547 -25.349,10.647 -25.199,10.797 -25.099,10.797 -21.412,14.484 v2(-21.412,19.152) ; 22.441,12.509 22.896,12.054 ; 22.557,11.472 22.835,11.194 ; 22.853,12.829 23.889,13.865 J1.B9@24.008,13.865 ; 23.132,10.664 23.365,10.664 23.386,10.643 24.486,10.643 ; 23.216,12.065 23.216,11.735 23.757,11.194 ; 23.227,10.664 23.757,11.194 ; 23.249,10.78 22.835,11.194 ; J1.A9@24.741,10.898 24.486,10.643 ; J1.A9@25.109,10.9 24.05,10.9 23.757,11.194 ; J1.A9@25.11,10.898 J1.A9@25.116,10.892 ; J1.A9@25.341,11.132 J1.A9@25.341,11.117 ; 22.835,11.194 23.757,11.194 ; 24.486,10.643 24.867,10.643 J1.A9@25.116,10.892 ; J1.A9@25.116,10.892 J1.A9@25.341,11.117 ; J1.A9@25.116,10.892 25.129,10.88 25.341,11.091 J1.A9@25.341,11.117
  Bottom w0.7: R3.1@-21.565,-17.882 -12.802,-17.882 U3.8@-11.354,-19.329
  Bottom w1.3: C4.1@21.984,-1.473 C6.1@21.984,1.88
  other v1: 27.356,-14.935 23.825,-12.471 28.829,12.217 26.848,16.078
  other v2: -0.864,-32.08 -3.099,-31.902 -5.512,-31.267 -8.026,-30.582 -11.532,-29.566 -0.559,-29.566 -3.302,-29.21 -6.147,-28.499 1.6,-27.915 8.941,-27.661 -8.23,-27.483 4.75,-27.457 -11.455,-26.797 -3.378,-26.645 13.005,-26.492 -5.537,-26.187 -1.676,-25.883 1.6,-25.4 -8.103,-24.917 -1.626,-24.308 10.49,-23.825 -5.385,-22.911 -8.026,-22.758 -1.651,-22.758 1.575,-22.708 -3.302,-20.523 -9.322,-20.396 -7.849,-20.396 1.041,-11.582 0.178,-11.557 2.87,-11.557 1.956,-11.532 4.699,-11.506 20.244,2.972 20.244,3.978 20.244,4.983 20.244,5.989 20.244,6.995 20.244,8.001 20.244,9.007 20.244,10.013 20.244,11.019 20.244,12.024 20.244,13.03 -21.412,20.091 -22.555,21.133
5V_USB: 1.1 C1.1 C2.1 C3.2 C17.2 C18.2 C19.2 C20.2 C21.2 C22.2 D1.5 R9.2 U2.1 USB1.V | length 53.2
  Power w0.16: v2(3.26,-29.625) 3.26,-17.771 6.003,-15.028 v2(6.985,-15.028) 6.274,-14.317 6.274,-12.217 6.502,-11.989 9.982,-11.989 12.446,-14.453 v2(12.446,-15.773)
  Bottom w0.16: 1.1@1.168,-31.775 1.168,-31.746 3.26,-29.654 v2(3.26,-29.625) 3.365,-29.52 R9.2@4.05,-29.52 ; C22.2@4.064,-6.883 4.481,-7.3 C19.2@6.189,-7.3 6.245,-7.244 10.079,-7.244 C18.2@10.135,-7.188 ; v2(6.985,-15.028) 7.01,-15.003 7.01,-14.122 7.144,-13.989 7.565,-13.989 D1.5@7.635,-13.919 ; U2.1@7.984,-9.586 9.129,-9.586 9.195,-9.652 9.398,-9.855 C17.2@9.398,-10.795 11.049,-10.795 C21.2@11.786,-10.058 ; C21.2@11.786,-9.55 C21.2@11.786,-10.058 ; v2(12.446,-15.773) 13.01,-15.21 USB1.V@13.465,-15.21 13.198,-14.942 13.198,-12.05 C2.1@13.284,-11.963 13.284,-11.342 12.682,-10.74 12.468,-10.74 C21.2@11.786,-10.058
5V_USB_LED: D2.A R9.1 | length 2.3
  Bottom w0.159: R9.1@5.551,-29.255 5.551,-29.874 D2.A@6.735,-31.058
"BT OFF": CM4.91 P1.1 | length 25.8
  Top Layer w0.159: CM4.91@18.5,10.7 17.441,10.7 17.348,10.793 17.348,13.614 18.466,14.732 23.139,14.732 23.673,14.199 23.673,8.484 v1(24.638,7.518)
  Bottom w0.159: v1(24.638,7.518) 28.804,3.353 P1.1@28.804,1.499
C_USB2_N: D1.3 L1.3 | length 13.7
  Top Layer w0.138: L1.3@-0.828,-7.055 -0.653,-7.055 -0.521,-6.924 -0.521,-6.881 -0.441,-6.8 2.761,-6.8 2.819,-6.858 3.748,-7.787 3.748,-11.982 5.293,-13.527 5.293,-13.641 5.089,-13.845 4.951,-13.845 v1(4.902,-13.894)
  Bottom w0.138: v1(4.902,-13.894) 5,-13.796 5.254,-13.796 5.532,-13.518 6.023,-13.518 6.041,-13.5 6.254,-13.5 D1.3@6.335,-13.419
C_USB2_P: D1.1 L1.4 | length 13.7
  Top Layer w0.138: L1.4@-0.828,-6.255 -0.653,-6.255 -0.521,-6.386 -0.521,-6.429 -0.441,-6.51 2.881,-6.51 4.039,-7.667 4.039,-11.862 5.704,-13.527 5.704,-13.882 5.662,-13.923 5.662,-14.302 v1(5.613,-14.351)
  Bottom w0.138: v1(5.613,-14.351) 5.613,-14.346 5.639,-14.32 6.236,-14.32 D1.1@6.335,-14.419
CAM0_C_N: CM4.140
CAM0_C_P: CM4.142
CAM0_D0_N: CM4.128
CAM0_D0_P: CM4.130
CAM0_D1_N: CM4.134
CAM0_D1_P: CM4.136
CAM1_C_N: CM4.127
CAM1_C_P: CM4.129
CAM1_D0_N: CM4.115
CAM1_D0_P: CM4.117
CAM1_D1_N: CM4.121
CAM1_D1_P: CM4.123
CAM1_D2_N: CM4.133
CAM1_D2_P: CM4.135
CAM1_D3_N: CM4.139
CAM1_D3_P: CM4.141
CT1: R10.2 T1.12 | length 7
  Top Layer w0.159: T1.12@-2.108,10.139 -2.108,11.067 -0.921,12.255 0.287,13.462 2.438,13.462 R10.2@2.794,13.818
CT2: R11.2 T1.6 | length 4.4
  Top Layer w0.159: T1.6@0.011,11.869 1.122,12.979 2.862,12.979 3.153,13.271 3.773,13.271 R11.2@3.81,13.234
CT3: R12.2 T1.1 | length 4.6
  Top Layer w0.159: R12.2@7.849,11.075 7.824,11.075 7.798,11.049 7.899,10.947 7.899,9.849 8.889,8.86 T1.1@8.889,6.948
CT4: R13.2 T1.7 | length 7.4
  Top Layer w0.159: T1.7@8.545,4.234 10.072,5.761 10.072,8.318 8.915,9.474 8.915,10.44 R13.2@8.865,10.491
D_N: D1.4 USB1.D- | length 5.6
  Bottom w0.138: D1.4@7.635,-13.419 7.716,-13.5 7.979,-13.5 8.156,-13.678 8.156,-13.766 8.237,-13.846 8.625,-13.846 9.942,-15.164 9.942,-15.958 10.058,-16.074 10.871,-16.074 USB1.D-@11.368,-16.571
D_P: D1.6 USB1.D+ | length 5.5
  Bottom w0.138: D1.6@7.635,-14.419 7.716,-14.338 7.979,-14.338 8.156,-14.161 8.529,-14.161 8.728,-14.36 8.777,-14.409 8.945,-14.577 cw(c8.848,-14.675) 8.945,-14.772 8.922,-14.795 ccw(c9.006,-14.879) 8.922,-14.963 ccw(c9.006,-14.879) 9.09,-14.963 9.113,-14.94 cw(c9.211,-15.037) 9.308,-14.94 9.492,-15.124 9.541,-15.173 9.652,-15.284 9.652,-16.078 9.847,-16.273 9.847,-16.438 9.691,-16.594 USB1.D+@9.691,-17.66
DSI0_C_N: CM4.169
DSI0_C_P: CM4.171
DSI0_D0_N: CM4.157
DSI0_D0_P: CM4.159
DSI0_D1_N: CM4.163
DSI0_D1_P: CM4.165
DSI1_C_N: CM4.187
DSI1_C_P: CM4.189
DSI1_D0_N: CM4.175
DSI1_D0_P: CM4.177
DSI1_D1_N: CM4.181
DSI1_D1_P: CM4.183
DSI1_D2_N: CM4.193
DSI1_D2_P: CM4.195
DSI1_D3_N: CM4.194
DSI1_D3_P: CM4.196
ETH_LED_Green: CM4.15 R5.1 | length 22.2
  Top Layer w0.159: R5.1@10.643,11.226 v1(11.354,10.871) 12.167,10.058 v1(12.167,0.432) ; v1(17.491,-0.117) 17.45,-0.158 17.45,-2.342 17.856,-2.748 17.856,-4.318 18.018,-4.479 18.479,-4.479 CM4.15@18.5,-4.5
  Power w0.159: v1(12.167,0.432) 12.243,0.356 16.809,0.356 17.188,-0.023 17.397,-0.023 v1(17.491,-0.117)
ETH_LED_Yellow: CM4.17 R6.1 | length 41.3
  Top Layer w0.159: v1(1.846,16.146) 1.854,16.154 R6.1@2.54,15.722 ; CM4.17@18.5,-4.1 19.213,-4.1 v1(21.692,-6.579)
  Power w0.159: v1(12.878,-0.201) 12.901,-0.178 16.586,-0.178 17.78,-1.372 19.634,-1.372 21.692,-3.429 v1(21.692,-6.579)
  Bottom w0.159: v1(1.846,16.146) 1.905,16.087 1.905,12.903 3.607,11.201 7.137,11.201 11.252,7.087 11.252,4.089 12.878,2.464 v1(12.878,-0.201)
FAN_5V: F1.1 P3.1 | length 2.8
  Bottom w0.159: F1.1@-24.243,19.99 -24.243,18.502 P3.1@-23.343,17.602